# Altium PCB BLDC_DEV_LKS074D(O)_V1.10.PcbDoc (part 1 of 2)
Units mil, origin at the board's own origin, x right, y up, seen from the top; angles counter-clockwise.
Board outline 7086.61 x 4330.71 mil, 2 copper layers (Top Layer, Bottom Layer); 170 components, 78 nets, 454 pads, 395 vias.
Unrouted connection lines stored in the file: 1.
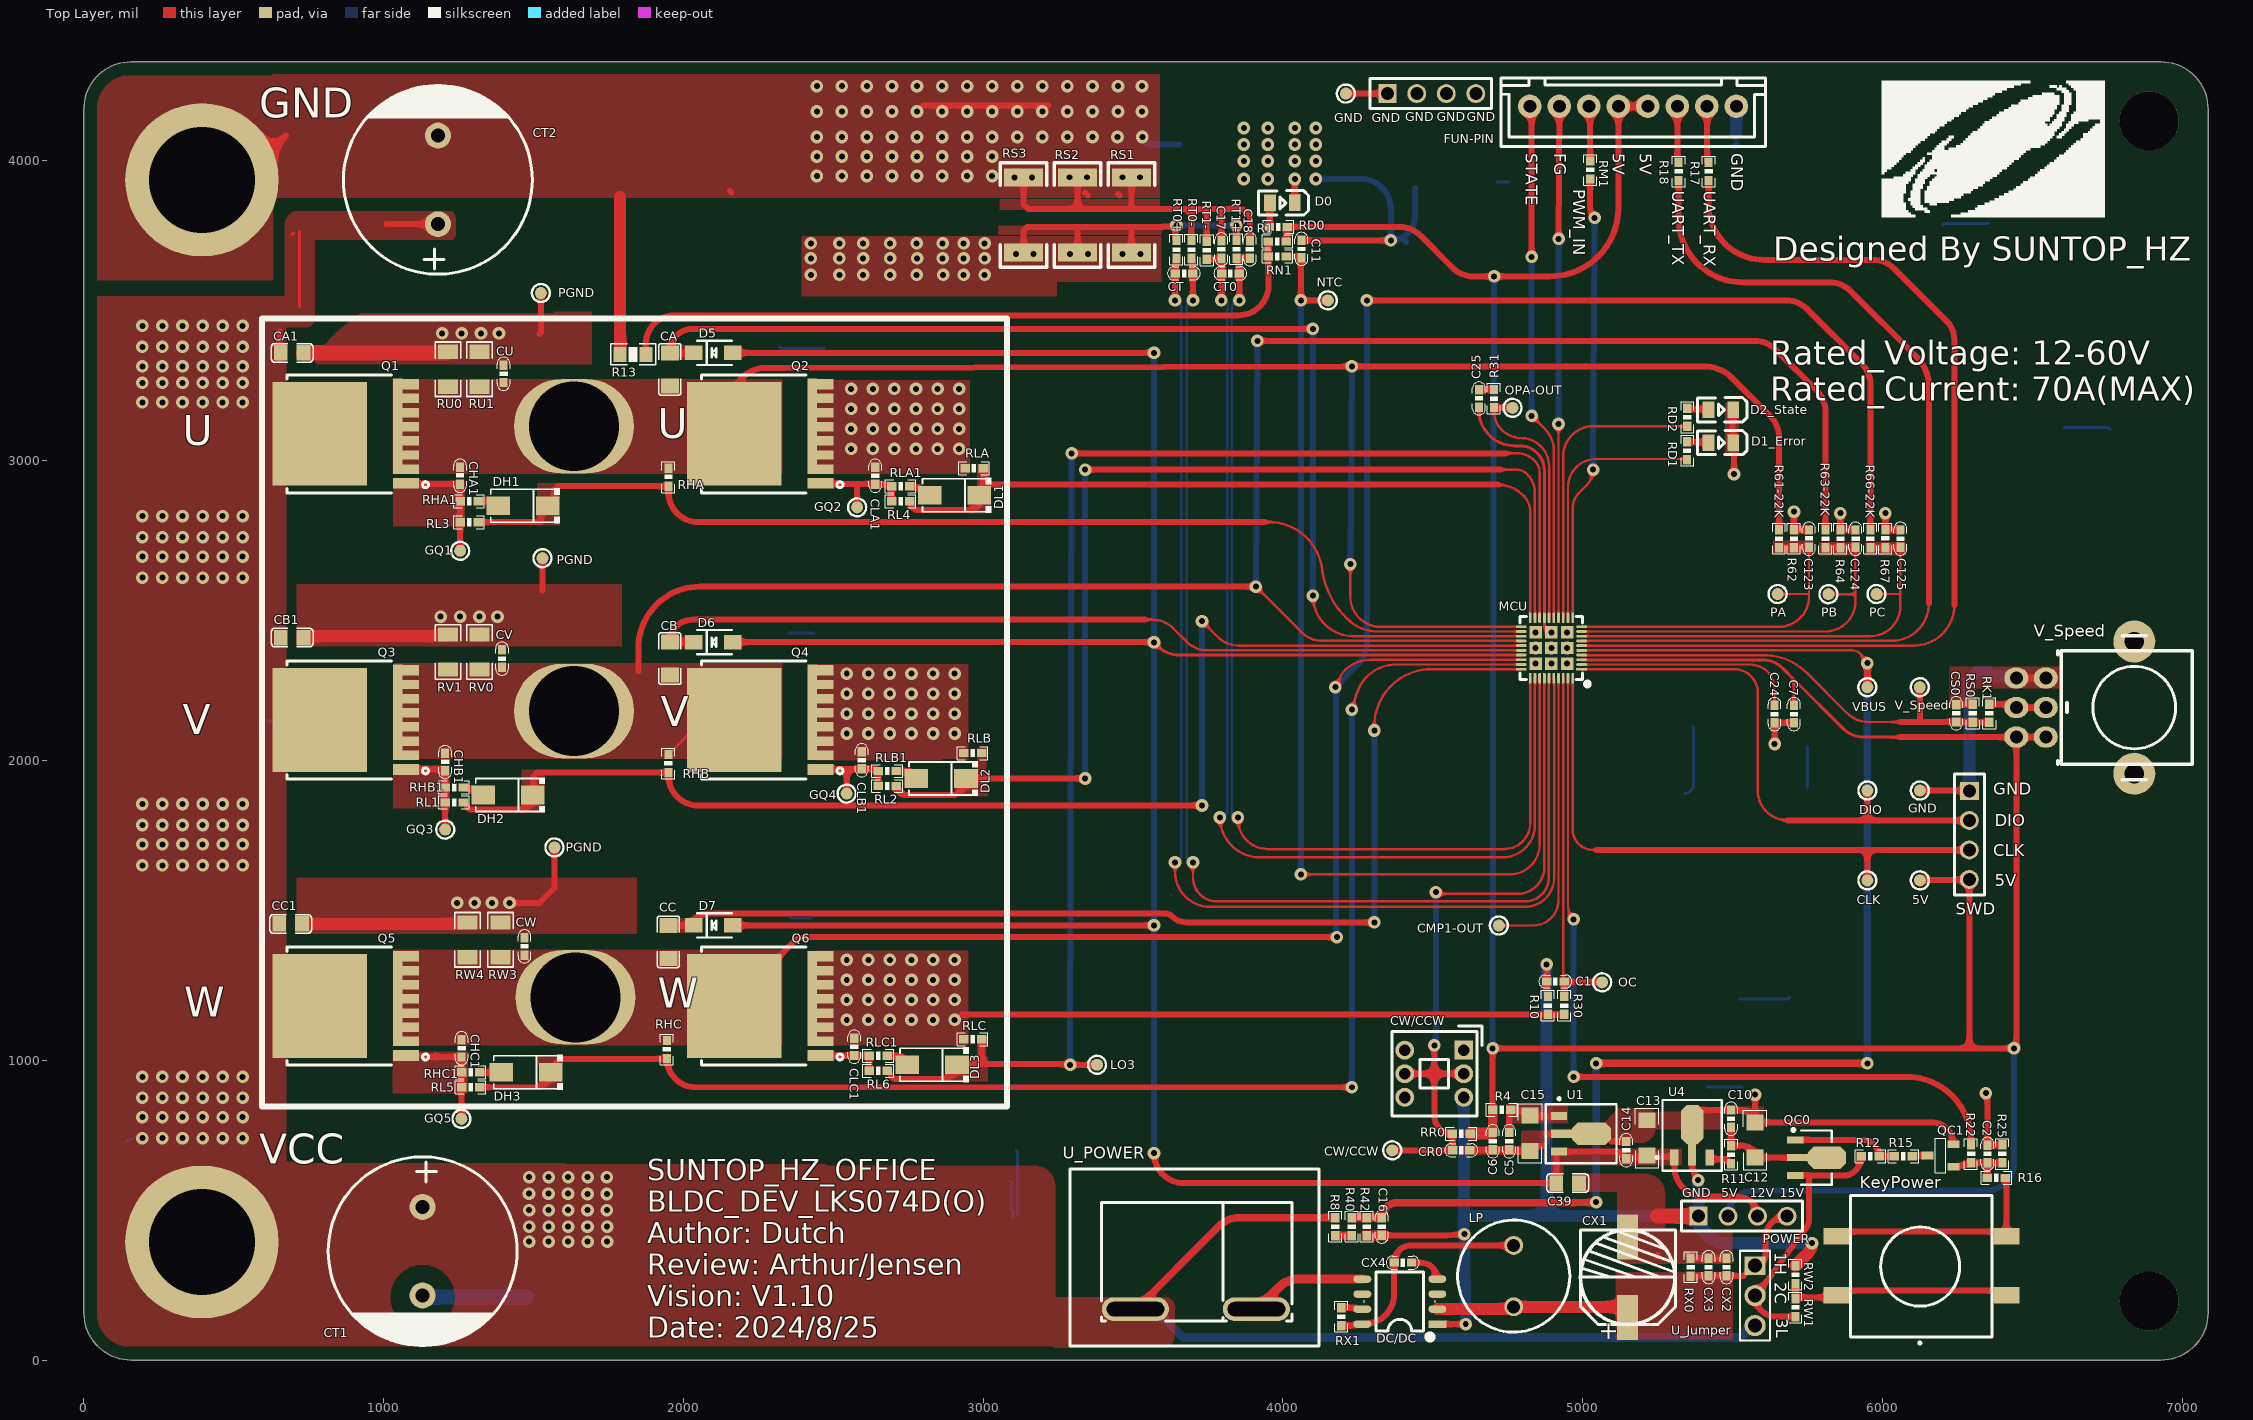
[diagram p0: Top Layer view]
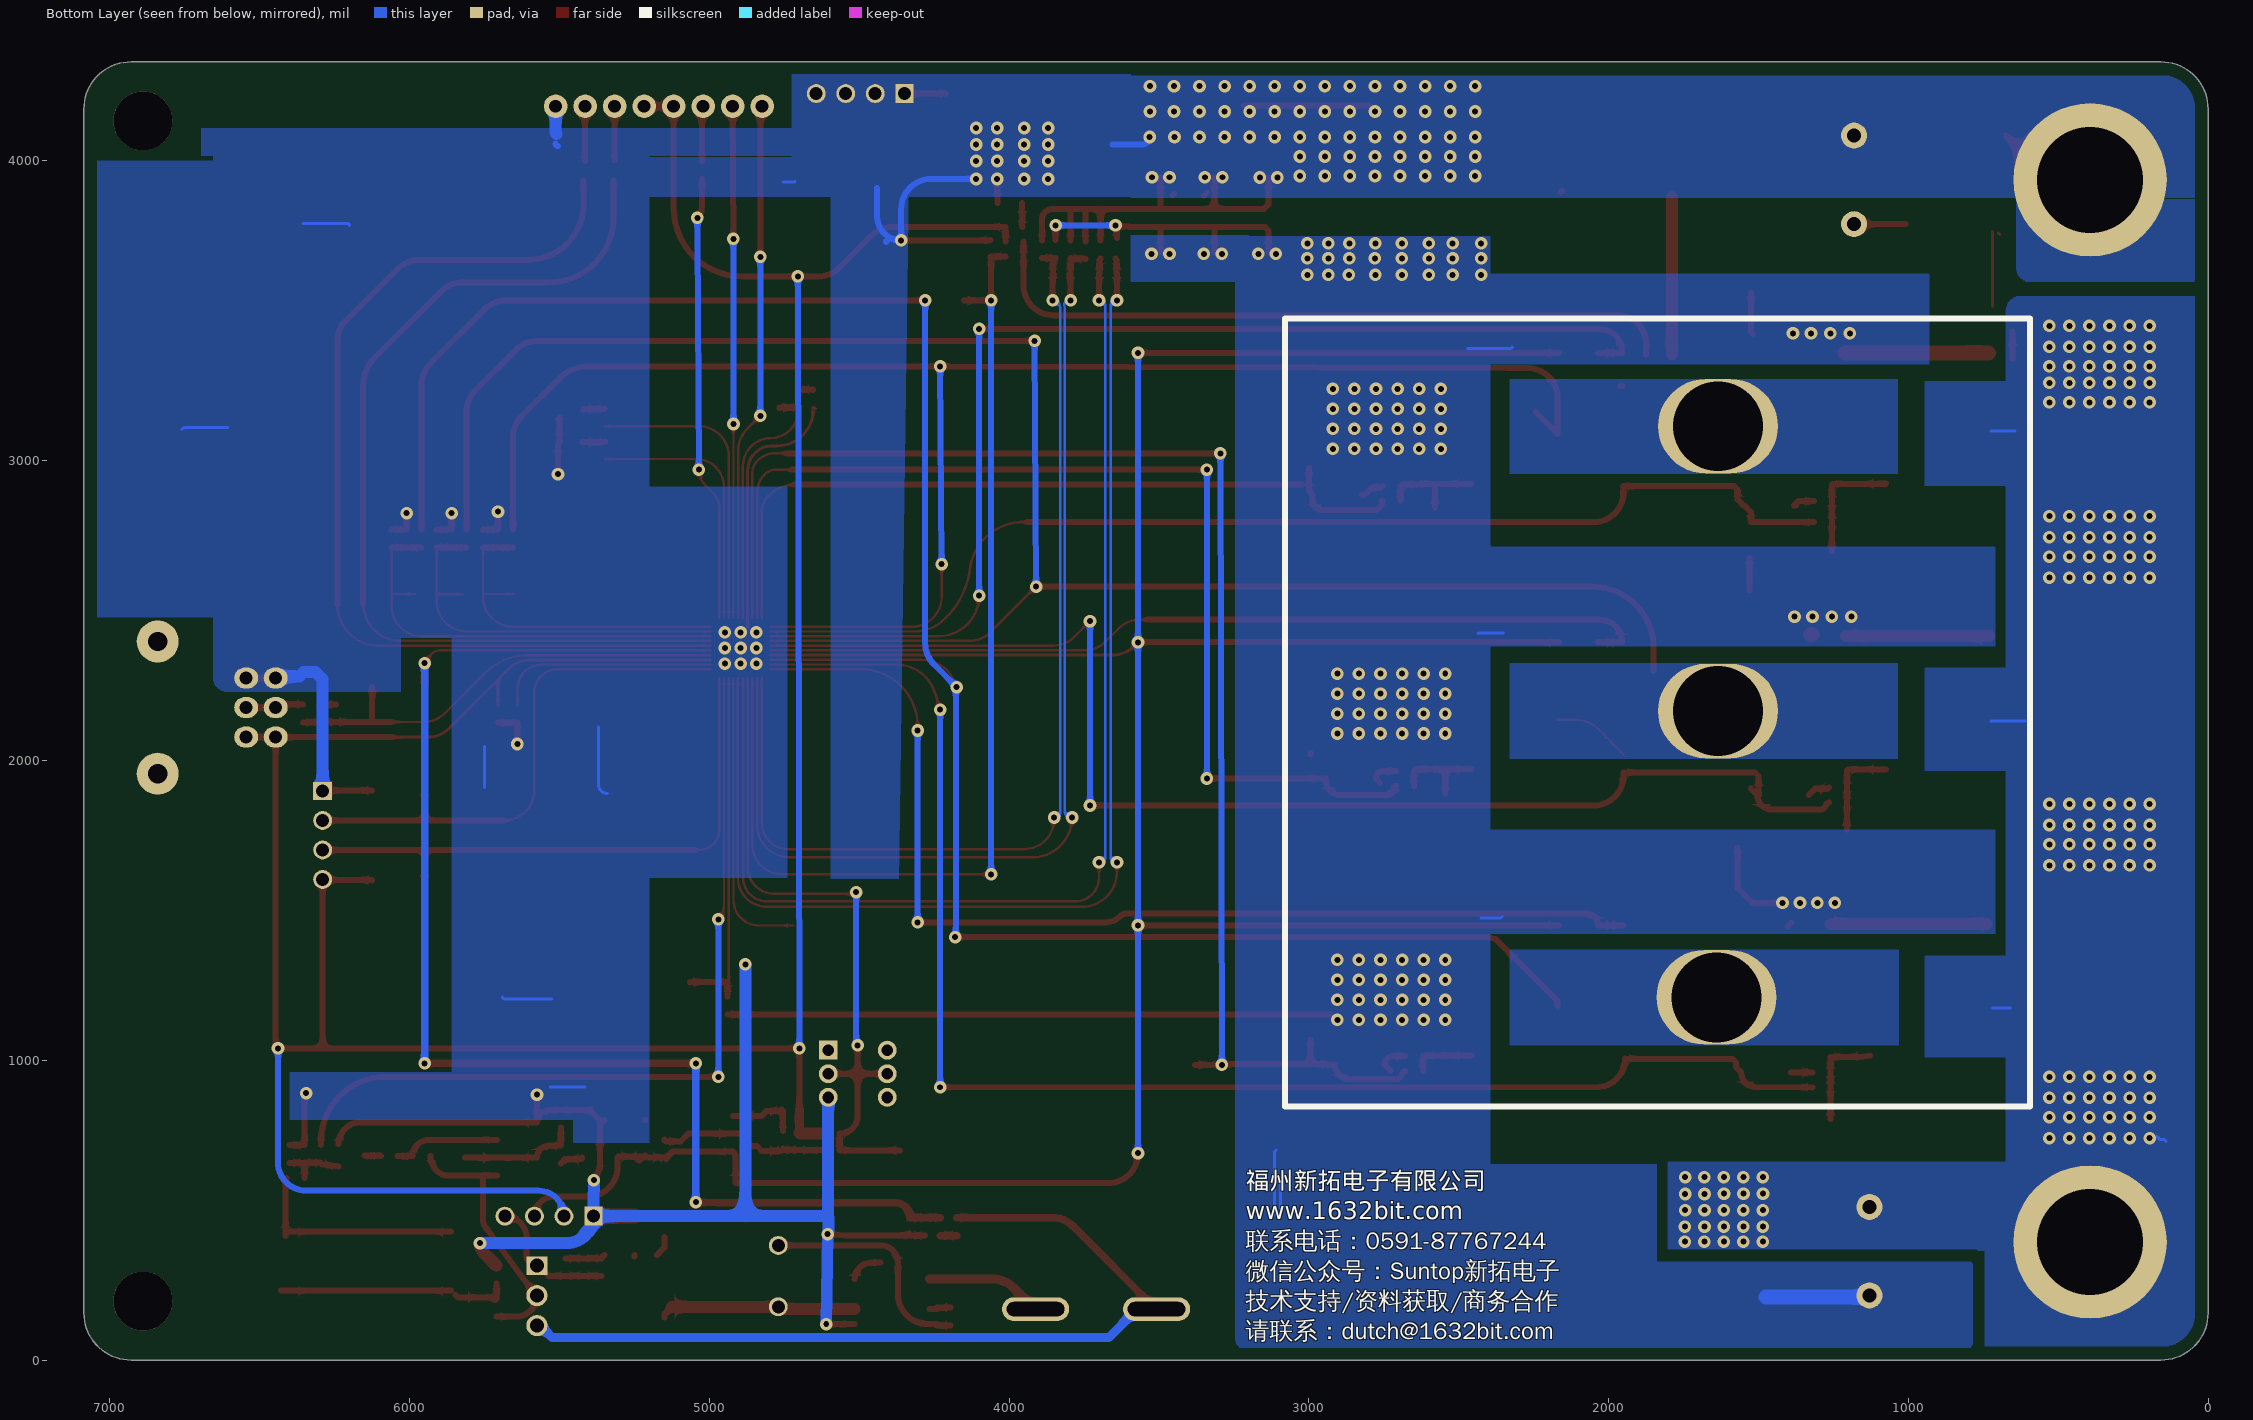
[diagram p1: Bottom Layer view, seen from below]
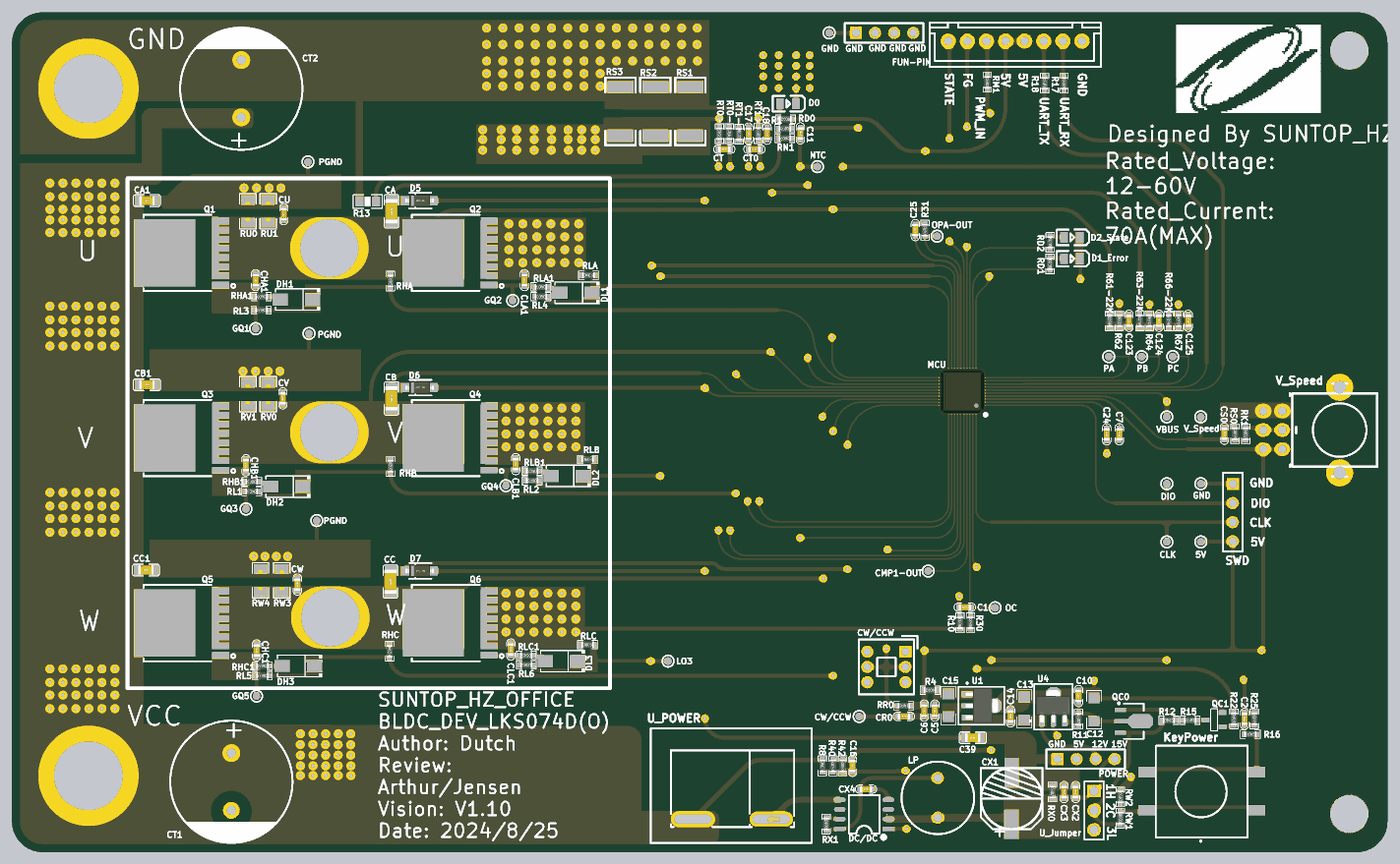
[diagram p3: 3D render of the assembled board from above, using the file's embedded part models]

## Layer stack, top to bottom
Top Solder: solder mask 0.4, Solder Resist, Dk 3.5
Top Layer: signal copper 1.4
Dielectric 1: dielectric 12.6, FR-4, Dk 4.8
Bottom Layer: signal copper 1.4
Bottom Solder: solder mask 0.4, Solder Resist, Dk 3.5

## Board outline
0,157.48 ccw(c157.48,157.48) 157.48,0 6929.13,0 ccw(c6929.13,157.48) 7086.61,157.48 7086.61,4173.23 ccw(c6929.13,4173.23) 6929.13,4330.71 157.48,4330.71 ccw(c157.48,4173.23) 0,4173.23

## Design rules (kind name [scope] priority, off if disabled: settings)
BoardOutlineClearance [All] p1: gap=40 ignorepadtopadclearanceinfootprint=FALSE // 铺铜与板框间距
Clearance ALL [All] p1: gap=6 ignorepadtopadclearanceinfootprint=TRUE // 基本间距要求
Creepage [All] p1 off: checkdistance=10
DiffPairsRouting DiffPairsRouting_OPA3 [InDifferentialPairClass('OPA3')] p1: maxlimit=20 minlimit=6 mostfreqgap=10 toplayer_minwidth=8 toplayer_maxwidth=20 toplayer_prefwidth=8 bottomlayer_minwidth=8 bottomlayer_maxwidth=20 bottomlayer_prefwidth=8 maxuncoupledlength=500
DiffPairsRouting DiffPairsRouting_OPA2 [InDifferentialPairClass('OPA2')] p2: maxlimit=20 minlimit=6 mostfreqgap=10 toplayer_minwidth=8 toplayer_maxwidth=20 toplayer_prefwidth=8 bottomlayer_minwidth=8 bottomlayer_maxwidth=20 bottomlayer_prefwidth=8 maxuncoupledlength=500
HoleSize [All] p1: absolutevalues=TRUE maxlimit=1000 minlimit=6 maxpercent=80.000 minpercent=20.000
MinimumSolderMaskSliver [All] p1 off: minsoldermaskwidth=6
PolygonConnect [All] p1: connectstyle=Direct reliefconductorwidth=10 reliefentries=4 polygonreliefangle="90 Angle" airgapwidth=10
RoutingVias RoutingVias_Power [InNetClass('Power')] p1: holewidth=20 width=42 viastyle="Through Hole" minholewidth=20 minwidth=42 maxholewidth=394 maxwidth=790
RoutingVias RoutingVias_GND [InNetClass('PGND/GND')] p2: holewidth=20 width=42 viastyle="Through Hole" minholewidth=20 minwidth=42 maxholewidth=394 maxwidth=790
RoutingVias RoutingVias_Track [All] p3: holewidth=20 width=42 viastyle="Through Hole" minholewidth=20 minwidth=42 maxholewidth=20 maxwidth=42 // 走线过孔
SilkToSilkClearance [All] p1 off: silktosilkclearance=10
SilkToSolderMaskClearance [IsPad] p1 off: minsilkscreentomaskgap=10 clearancetoexposedcopper=TRUE
SolderMaskExpansion [All] p1: expansion=2.5 istentingtop=FALSE // 阻焊油墨
Width GND_Width [InNetClass('PGND/GND')] p1: maxlimit=120 minlimit=10 preferedwidth=40 // GND线宽
Width Power_Width [InNetClass('Power')] p2: maxlimit=100 minlimit=10 preferedwidth=40 // 电源线宽
Width ALL-Width [All] p3: maxlimit=40 minlimit=8 preferedwidth=20 // 基本线宽
25 further rules are at their usual default settings.

## Classes and differential pairs
differential pair class OPA3: OPA3_Diff
differential pair class OPA2: OPA2_ OPA2_DiffOPA2_
net class PGND/GND: GND PGND
net class Power: 5V 12V 15V LDO5V VCC
component class BLDC_DEV_LKS074D(O)_V1.03: C1 C2 C5 C6 C10 C11 C12 C13 C14 C15 C16 C17 C18 C24 C25 C39 C123 C124 C125 CA CA1 CB CB1 CC CC1 CHA1 CHB1 CHC1 CLA1 CLB1 CLC1 CR0 CT0 CT1 CT2 CU CV CW CW/CCW CX1 CX2 CX3 CX4 D0 D1_ERROR D2_State D5 D6 D7 DC/DC DH1 DH2 DH3 DL1 DL2 DL3 FUN-PIN LP MCU OPA-OUT Q1 Q2 Q3 Q4 Q6 QC0 QC1 R1 R4 R8 R10 R11 R12 R13 R15 R16 R17 R18 R22 R25 R30 R31 R40 R42 R62 R64 R67 RD0 RD1 RD2 RHA RHA1 RHB RHB1 RHC RHC1 RL1 RL2 RL3 RL4 RL5 RL6 RLA RLA1 RLB RLB1 RLC RLC1 RM1 RN1 RR0 RS1 RS2 RS3 RT0+ RT0- RT1+ RT1- RU0 RU1 RV0 RV1 RW1 RW2 RW3 RW4 RX0 RX1 U1 U4 U_Jumper
differential pair OPA2_DiffOPA2_: +OPA2_IP -OPA2_IN
differential pair OPA3_Diff: +OPA3_IP -OPA3_IN
differential pair OPA2_Diff: +OPA2_IP -OPA2_IN

## Components (designator, comment, footprint, x,y, rotation, side; value= is the part's Value field where it differs from the comment)
5V "Comment" TP-40 6124.61,1599.61 r180 top
C1 "1nF/10V" 0603C 4909.02,1262.81 r180 top locked
C2 "100nF/50V" 0603C 6350.28,687.45 r90 top locked
C5 "100nF/50V" 0603C 4755,730 r90 top locked
C6 "10uF/25V" 0603C 4700,730 r90 top locked
C7 "10uF/25V" 0603C 5705,2155 r90 top locked (schematic designator C6)
C10 "100nF/50V" 0603C 5495,805 r90 top locked
C11 "1nF/10V" 0603C 4061.85,3706.65 r270 top locked value=10nF/16V
C12 "22uF/25V" 1206 5574.61,675.39 r90 top locked
C13 "22uF/25V" 1206 5214.61,682.28 r90 top locked
C14 "100nF/50V" 0603C 5145,700 r90 top locked
C15 "10uF/10V" 1206 4825,815 r270 top locked
C16 "100nF/50V" 0603C 4330,445 r270 top locked
C17 "100nF/50V" 0603C 3795,3705 r270 top locked
C18 "1uF/50V" 0603C 3890,3705 r90 top locked
C24 "100nF/50V" 0603C 5640,2155 r90 top locked
C25 "1nF/50V" 0603C 4653.98,3207.69 r90 top locked
C39 "10uF/25V" 0805C 4950,590 r180 top locked
C123 "1nF/50V" 0603C 5755,2740 r90 top locked value=10nF/16V
C124 "1nF/50V" 0603C 5910,2740 r90 top locked value=10nF/16V
C125 "1nF/50V" 0603C 6060,2740 r90 top locked value=10nF/16V
CA "10uF/50V" 1206C 1955,3305 r270 top locked
CA1 "100nF/100V" 0805C 695,3360 r0 top locked
CB "10uF/50V" 1206C 1955,2340 r270 top locked
CB1 "100nF/100V" 0805C 695,2410 r0 top locked
CC "10uF/50V" 1206C 1950,1395 r270 top locked
CC1 "100nF/100V" 0805C 690,1455 r0 top locked
CHA1 "10nF/50V" 0603C 1255,2950 r90 top locked
CHB1 "10nF/50V" 0603C 1205,1995 r90 top locked
CHC1 "10nF/50V" 0603C 1260,1040 r90 top locked
CLA1 "10nF/50V" 0603C 2640,2950 r90 top locked
CLB1 "10nF/50V" 0603C 2595,2000.88 r90 top locked
CLC1 "10nF/50V" 0603C 2570,1045 r90 top locked
CLK "Comment" TP-40 5949.61,1599.61 r180 top
CMP1-OUT "TestP" TP-40 4720,1450 r90 top locked (schematic designator OPA-OUT)
CR0 "1nF/10V" 0603C 4595,700 r0 top locked
CS0 "100nF/50V" 0603C 6246.22,2157.61 r270 top locked (schematic designator C24)
CT "100pF/50V" 0603C 3670,3625 r0 top locked
CT0 "1uF/50V" 0603C 3825,3625 r0 top locked
CT1 "470uF/100V" CAP-TH_BD16.0-P7.50-D1.2-FD 1130,363 r270 top locked
CT2 "470uF/100V" CAP-TH_BD16.0-P7.50-D1.2-FD 1181.1,3937.01 r90 top locked
CU "27pF/100V" 0603C 1400,3290 r90 top locked
CV "27pF/100V" 0603C 1395,2340 r90 top locked
CW "27pF/100V" 0603C 1470,1380 r90 top locked
CW/CCW "Comment" TP-40 4365,700 r0 top
CW/CCW "XKB7070-Z" SW-TH_6P-L7.0-W7.0-P2.00 4505,955 r0 top locked
CX1 "220uF/35V" EC-8 5150,276.14 r90 top locked
CX2 "100nF/50V" 0603C 5480,310 r270 top locked
CX3 "10uF/25V" 0603C 5420,310 r270 top locked
CX4 "1uF/25V" 0603C 4400,325 r0 top locked
D0 "LED" LED0805-R-RD 3997.87,3859.99 r180 top locked
D1_Error "LED" LED0805-R-RD 5461.35,3060 r180 top locked (schematic designator D1)
D2_State "LED" LED0805-R-RD 5461.35,3170 r180 top locked (schematic designator D2)
D5 "SW4007" SOD-123 2100,3360 r180 top locked
D6 "SW4007" SOD-123 2100,2395 r180 top locked
D7 "SW4007" SOD-123 2100,1450 r180 top locked
DC/DC "LKS620" SOP8-NCE4614 4390,195 r180 top locked (schematic designator U7)
DH1 "1N4007" SMA_L4.3-W2.5-LS5.0-RD 1465,2850 r180 top locked
DH2 "1N4007" SMA_L4.3-W2.5-LS5.0-RD 1415,1885 r180 top locked
DH3 "1N4007" SMA_L4.3-W2.5-LS5.0-RD 1475,960 r180 top locked
DIO "Comment" TP-40 5949.61,1900.39 r90 top
DL1 "1N4007" SMA_L4.3-W2.5-LS5.0-RD 2905,2885 r180 top locked
DL2 "1N4007" SMA_L4.3-W2.5-LS5.0-RD 2860,1940 r180 top locked
DL3 "1N4007" SMA_L4.3-W2.5-LS5.0-RD 2830,985 r180 top locked
FUN-PIN "ZX-XH2.54-8PZZ" CONN-TH_8P-P2.50-XH2.54-8P 5168.19,4182.6 r0 top locked (schematic designator FUN_Pin)
GND "Comment" TP-40 4209.61,4224.61 r180 top
GND "Comment" TP-40 6125.39,1900.39 r0 top
GND "Comment" CONN-TH_4P-P2.50_4PIN 4495.79,4225 r0 top locked
GQ1 "Comment" TP-40 1255,2700 r90 top
GQ2 "Comment" TP-40 2580,2845 r0 top
GQ3 "Comment" TP-40 1205,1770 r90 top
GQ4 "Comment" TP-40 2545,1890 r0 top
GQ5 "Comment" TP-40 1260,805 r0 top
KeyPower "SW-PB" "SW-PB  12*12" 6130,315 r180 top locked
LO3 "Comment" TP-40 3380.39,985.39 r0 top
LP "1mH" IND-TH_BD9.5-P5.20-D0.6 4770,280 r270 top locked
MCU "LKS32MC074D(O)F6Q8" QFN40 4895.87,2375.39 r180 top locked (schematic designator U2)
NTC "Comment" TP-40 4150.39,3534.61 r270 top
OC "Comment" TP-40 5065.39,1260.39 r0 top
OPA-OUT "TestP" TP-40 4765.63,3176.15 r180 top locked
PA "Comment" TP-40 5650,2555 r180 top
PB "Comment" TP-40 5819.61,2554.61 r180 top
PC "Comment" TP-40 5980,2555 r180 top
PGND "Comment" TP-40 1525,3560 r0 top
PGND "Comment" TP-40 1530.39,2675.39 r0 top
PGND "Comment" TP-40 1570.39,1710.39 r0 top
POWER "Comment" CONN-TH_4P-P2.50_4PIN 5534.2,480 r0 top locked
Q1 "LR015N11ST10" TOLL-8L 931.1,3090 r90 top locked
Q2 "LR015N11ST10" TOLL-8L 2313.7,3090 r90 top locked
Q3 "LR015N11ST10" TOLL-8L 931.1,2135.55 r90 top locked
Q4 "LR015N11ST10" TOLL-8L 2313.7,2135.55 r90 top locked
Q5 "LR015N11ST10" TOLL-8L 931.1,1181.1 r90 top locked (schematic designator Q3)
Q6 "LR015N11ST10" TOLL-8L 2313.7,1181.1 r90 top locked
QC0 "2SA1013" SOT89N 5779.57,675 r0 top locked
QC1 "MMBT5551" SOT-23 6229.41,643.28 r90 top locked
R1 "10K" 0603R 3981.85,3731.65 r0 top locked
R4 "0R" 0603R 4730,835 r180 top locked
R8 "11K 1%" 0603R 4175,445 r270 top locked value=100K
R10 "10R" 0603R 4884.02,1182.81 r90 top locked
R11 "5.1R" 0603R 5495,685 r270 top locked value=0.47R
R12 "4.7K" 0603R 5960,680 r0 top locked
R13 "NTC_10K" 0805R 1789.37,3355 r0 top locked
R15 "4.7K" 0603R 6070,680 r0 top locked
R16 "2K" 0603R 6380.28,607.45 r0 top locked
R17 "100R" 0603R 5420,3965 r270 top locked
R18 "100R" 0603R 5320,3965 r270 top locked
R22 "2K" 0603R 6295.28,687.45 r270 top locked
R25 "4.7K" 0603R 6400.28,687.45 r270 top locked
R30 "1K 1%" 0603R 4939.02,1182.81 r90 top locked
R31 "1K 1%" 0603R 4703.98,3207.69 r90 top locked
R40 "11K 1%" 0603R 4230,445 r90 top locked value=100K
R42 "1K 1%" 0603R 4280,445 r90 top locked
R61-22K "22K 1%" 0603R 5655,2740 r90 top locked (schematic designator R31)
R62 "1K 1%" 0603R 5705,2740 r270 top locked
R63-22K "22K 1%" 0603R 5810,2740 r90 top locked (schematic designator R31)
R64 "1K 1%" 0603R 5860,2740 r270 top locked
R66-22K "22K 1%" 0603R 5960,2740 r90 top locked (schematic designator R31)
R67 "1K 1%" 0603R 6010,2740 r270 top locked
RD0 "10K" 0603R 3985,3780 r180 top locked value=2.2K
RD1 "10K" 0603R 5348.24,3033.57 r90 top locked value=2.2K
RD2 "10K" 0603R 5348.62,3145 r90 top locked value=2.2K
RHA "20K" 0603R 1950,2945 r270 top locked
RHA1 "10R" 0603R 1285,2865 r180 top locked
RHB "20K" 0603R 1950,1990 r270 top locked
RHB1 "10R" 0603R 1235,1910 r180 top locked
RHC "20K" 0603R 1945,1035.88 r270 top locked
RHC1 "10R" 0603R 1290,960 r180 top locked
RK1 "10K 1%" 0603R 6356.22,2157.61 r270 top locked (schematic designator R31)
RL1 "20R" 0603R 1235,1860 r180 top locked
RL2 "20R" 0603R 2680,1915 r180 top locked
RL3 "20R" 0603R 1285,2795 r180 top locked
RL4 "20R" 0603R 2725,2865 r180 top locked
RL5 "20R" 0603R 1290,910 r180 top locked
RL6 "20R" 0603R 2650,965 r180 top locked
RLA "20K" 0603R 2970,2975 r0 top locked
RLA1 "10R" 0603R 2725,2915 r180 top locked
RLB "20K" 0603R 2965,2025 r0 top locked
RLB1 "10R" 0603R 2680,1965 r180 top locked
RLC "20K" 0603R 2965,1070 r0 top locked
RLC1 "10R" 0603R 2650,1015 r180 top locked
RM1 "10K" 0603R 5025,3970 r270 top locked
RN1 "1K" 0603R 3981.85,3681.65 r180 top locked
RR0 "22K 1%" 0603R 4595,755 r0 top locked
RS0 "20K 1%" 0603R 6301.22,2157.61 r270 top locked (schematic designator R31)
RS1 "R010" 2512R 3494.61,3696.57 r90 top locked
RS2 "R010" 2512R 3314.61,3696.57 r90 top locked
RS3 "R010" 2512R 3134.61,3696.57 r90 top locked
RT0+ "5K 1%" 0603R 3645,3705 r90 top locked
RT0- "5K 1%" 0603R 3695,3705 r90 top locked
RT1+ "5K 1%" 0603R 3845,3705.94 r270 top locked
RT1- "5K 1%" 0603R 3745.86,3702.23 r270 top locked
RU0 "10KΩ" R1206 1215,3305 r270 top locked
RU1 "10KΩ" R1206 1320,3305 r270 top locked
RV0 "10KΩ" R1206 1320,2361.78 r270 top locked
RV1 "10KΩ" R1206 1215,2361.78 r270 top locked
RW1 "15K" 0603R 5710,175 r270 top locked value=0.47R
RW2 "5.1K" 0603R 5710,285 r270 top locked value=0.47R
RW3 "10KΩ" R1206 1390,1401.78 r270 top locked
RW4 "10KΩ" R1206 1280,1401.78 r270 top locked
RX0 "22K" 0603R 5360,310 r270 top locked
RX1 "0.3Ω" 0603R 4195,145 r90 top locked
U1 "78L05" SOT89 4975.37,755 r270 top locked
U4 "78L12" SOT89 5365,730.37 r0 top locked
U_Jumper "826629-3" HDR-TH_3P-P2.54-V-M-1 5575,215 r270 top locked
U_POWER "SDDJE11600" SW-TH_SDDJE11600 3710,170 r180 top locked
V_Speed "Comment" TP-40 6125,2245 r0 top
V_Speed "B100K" RK097-W 6643.42,2176.58 r270 top locked
VBUS "Comment" TP-40 5950,2245 r0 top
? "Comment" CONN-TH_4P-P2.50_4PIN 6290,1750.8 r270 top locked
? "Comment" SUNTOP_LOGO 6015,3695 r0 top locked
